# KiCad board GPDI_ULX3S_panel.kicad_pcb (continued)
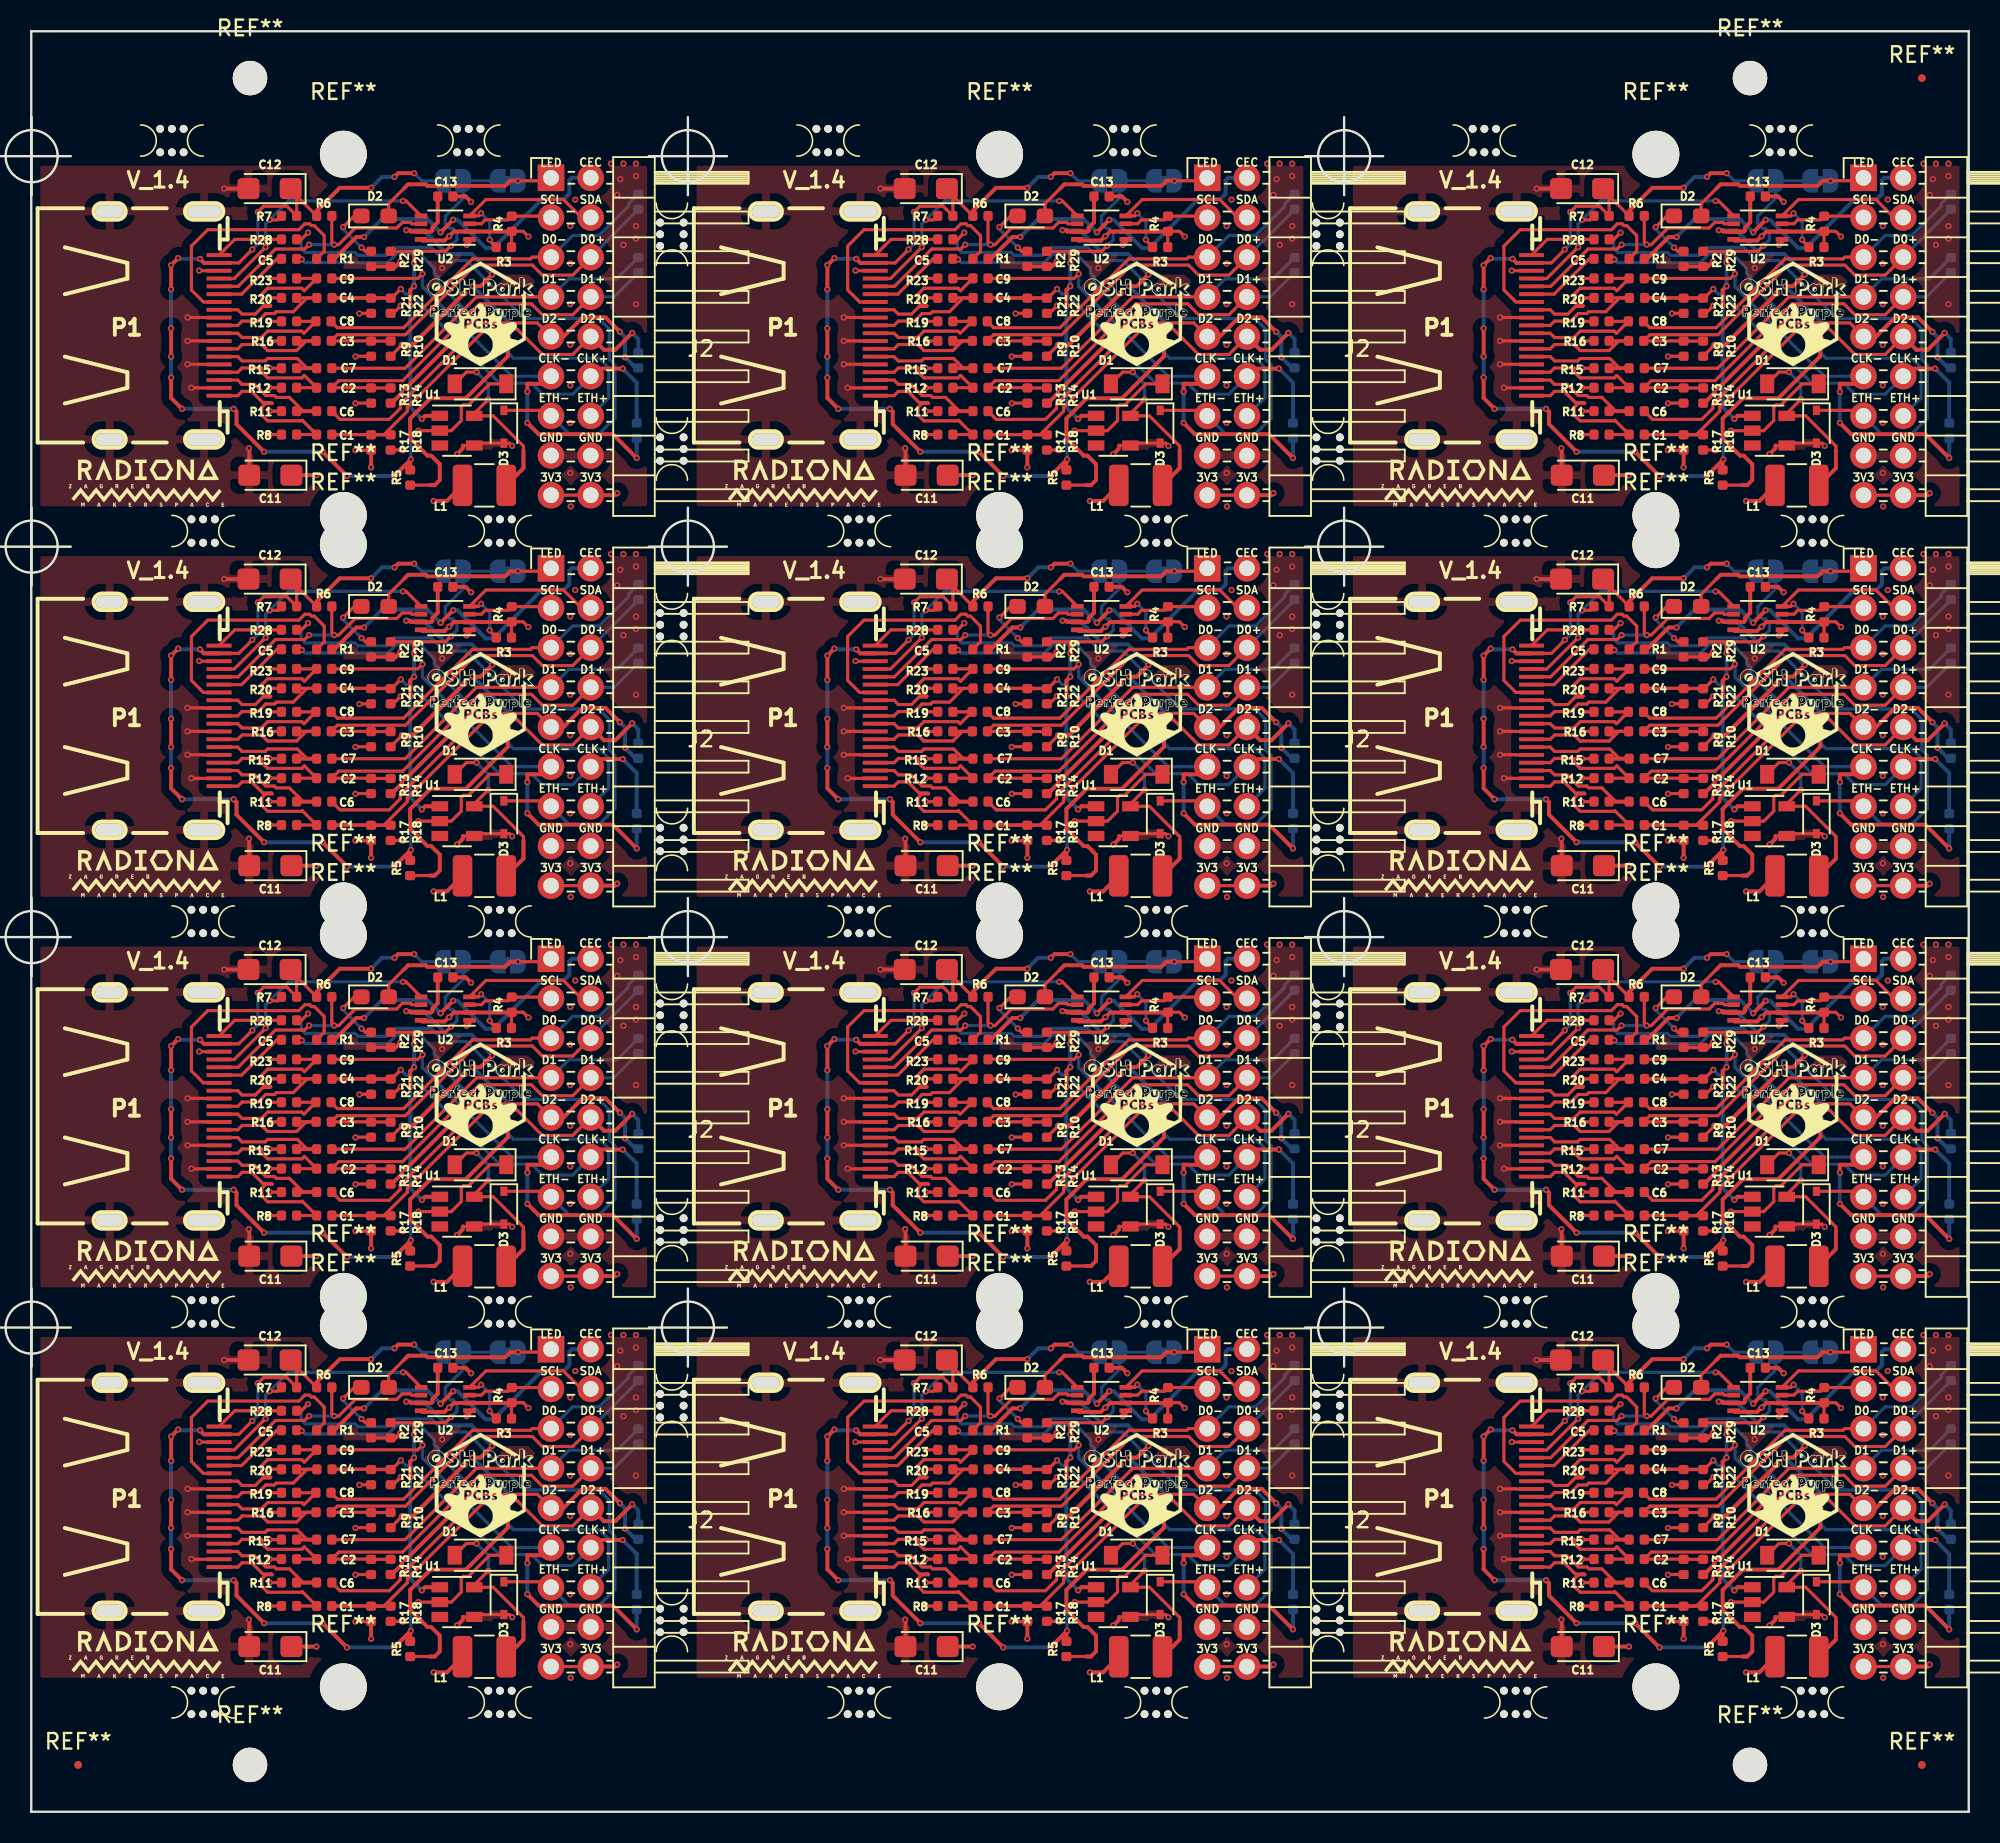
[diagram p0: board, top side]
## Nets (continued)
GPDI_D0+: C3.1 C3#2.1 C3#3.1 C3#4.1 C3#5.1 C3#6.1 C3#7.1 C3#8.1 C3#9.1 C3#10.1 C3#11.1 C3#12.1 J2.6 J2#2.6 J2#3.6 J2#4.6 J2#5.6 J2#6.6 J2#7.6 J2#8.6 J2#9.6 J2#10.6 J2#11.6 J2#12.6 R9.2 R9#2.2 R9#3.2 R9#4.2 R9#5.2 R9#6.2 R9#7.2 R9#8.2 R9#9.2 R9#10.2 R9#11.2 R9#12.2 R10.1 R10#2.1 R10#3.1 R10#4.1 R10#5.1 R10#6.1 R10#7.1 R10#8.1 R10#9.1 R10#10.1 R10#11.1 R10#12.1 R26.1 R26#2.1 R26#3.1 R26#4.1 R26#5.1 R26#6.1 R26#7.1 R26#8.1 R26#9.1 R26#10.1 R26#11.1 R26#12.1
GPDI_D0-: C8.1 C8#2.1 C8#3.1 C8#4.1 C8#5.1 C8#6.1 C8#7.1 C8#8.1 C8#9.1 C8#10.1 C8#11.1 C8#12.1 J2.5 J2#2.5 J2#3.5 J2#4.5 J2#5.5 J2#6.5 J2#7.5 J2#8.5 J2#9.5 J2#10.5 J2#11.5 J2#12.5 R26.2 R26#2.2 R26#3.2 R26#4.2 R26#5.2 R26#6.2 R26#7.2 R26#8.2 R26#9.2 R26#10.2 R26#11.2 R26#12.2
GPDI_D1+: C2.1 C2#2.1 C2#3.1 C2#4.1 C2#5.1 C2#6.1 C2#7.1 C2#8.1 C2#9.1 C2#10.1 C2#11.1 C2#12.1 J2.8 J2#2.8 J2#3.8 J2#4.8 J2#5.8 J2#6.8 J2#7.8 J2#8.8 J2#9.8 J2#10.8 J2#11.8 J2#12.8 R13.2 R13#2.2 R13#3.2 R13#4.2 R13#5.2 R13#6.2 R13#7.2 R13#8.2 R13#9.2 R13#10.2 R13#11.2 R13#12.2 R14.1 R14#2.1 R14#3.1 R14#4.1 R14#5.1 R14#6.1 R14#7.1 R14#8.1 R14#9.1 R14#10.1 R14#11.1 R14#12.1 R25.1 R25#2.1 R25#3.1 R25#4.1 R25#5.1 R25#6.1 R25#7.1 R25#8.1 R25#9.1 R25#10.1 R25#11.1 R25#12.1
GPDI_D1-: C7.1 C7#2.1 C7#3.1 C7#4.1 C7#5.1 C7#6.1 C7#7.1 C7#8.1 C7#9.1 C7#10.1 C7#11.1 C7#12.1 J2.7 J2#2.7 J2#3.7 J2#4.7 J2#5.7 J2#6.7 J2#7.7 J2#8.7 J2#9.7 J2#10.7 J2#11.7 J2#12.7 R25.2 R25#2.2 R25#3.2 R25#4.2 R25#5.2 R25#6.2 R25#7.2 R25#8.2 R25#9.2 R25#10.2 R25#11.2 R25#12.2
GPDI_D2+: C1.1 C1#2.1 C1#3.1 C1#4.1 C1#5.1 C1#6.1 C1#7.1 C1#8.1 C1#9.1 C1#10.1 C1#11.1 C1#12.1 J2.10 J2#2.10 J2#3.10 J2#4.10 J2#5.10 J2#6.10 J2#7.10 J2#8.10 J2#9.10 J2#10.10 J2#11.10 J2#12.10 R17.2 R17#2.2 R17#3.2 R17#4.2 R17#5.2 R17#6.2 R17#7.2 R17#8.2 R17#9.2 R17#10.2 R17#11.2 R17#12.2 R18.1 R18#2.1 R18#3.1 R18#4.1 R18#5.1 R18#6.1 R18#7.1 R18#8.1 R18#9.1 R18#10.1 R18#11.1 R18#12.1 R24.1 R24#2.1 R24#3.1 R24#4.1 R24#5.1 R24#6.1 R24#7.1 R24#8.1 R24#9.1 R24#10.1 R24#11.1 R24#12.1
GPDI_D2-: C6.1 C6#2.1 C6#3.1 C6#4.1 C6#5.1 C6#6.1 C6#7.1 C6#8.1 C6#9.1 C6#10.1 C6#11.1 C6#12.1 J2.9 J2#2.9 J2#3.9 J2#4.9 J2#5.9 J2#6.9 J2#7.9 J2#8.9 J2#9.9 J2#10.9 J2#11.9 J2#12.9 R24.2 R24#2.2 R24#3.2 R24#4.2 R24#5.2 R24#6.2 R24#7.2 R24#8.2 R24#9.2 R24#10.2 R24#11.2 R24#12.2
GPDI_ETH+: C5.1 C5#2.1 C5#3.1 C5#4.1 C5#5.1 C5#6.1 C5#7.1 C5#8.1 C5#9.1 C5#10.1 C5#11.1 C5#12.1 J2.14 J2#2.14 J2#3.14 J2#4.14 J2#5.14 J2#6.14 J2#7.14 J2#8.14 J2#9.14 J2#10.14 J2#11.14 J2#12.14
GPDI_ETH-: D3.1 D3#2.1 D3#3.1 D3#4.1 D3#5.1 D3#6.1 D3#7.1 D3#8.1 D3#9.1 D3#10.1 D3#11.1 D3#12.1 J2.13 J2#2.13 J2#3.13 J2#4.13 J2#5.13 J2#6.13 J2#7.13 J2#8.13 J2#9.13 J2#10.13 J2#11.13 J2#12.13 R28.2 R28#2.2 R28#3.2 R28#4.2 R28#5.2 R28#6.2 R28#7.2 R28#8.2 R28#9.2 R28#10.2 R28#11.2 R28#12.2
GPDI_SCL: P1.15 P1#2.15 P1#3.15 P1#4.15 P1#5.15 P1#6.15 P1#7.15 P1#8.15 P1#9.15 P1#10.15 P1#11.15 P1#12.15 R6.2 R6#2.2 R6#3.2 R6#4.2 R6#5.2 R6#6.2 R6#7.2 R6#8.2 R6#9.2 R6#10.2 R6#11.2 R6#12.2 U2.6 U2#2.6 U2#3.6 U2#4.6 U2#5.6 U2#6.6 U2#7.6 U2#8.6 U2#9.6 U2#10.6 U2#11.6 U2#12.6
GPDI_SDA: P1.16 P1#2.16 P1#3.16 P1#4.16 P1#5.16 P1#6.16 P1#7.16 P1#8.16 P1#9.16 P1#10.16 P1#11.16 P1#12.16 R7.2 R7#2.2 R7#3.2 R7#4.2 R7#5.2 R7#6.2 R7#7.2 R7#8.2 R7#9.2 R7#10.2 R7#11.2 R7#12.2 U2.5 U2#2.5 U2#3.5 U2#4.5 U2#5.5 U2#6.5 U2#7.5 U2#8.5 U2#9.5 U2#10.5 U2#11.5 U2#12.5
LED_HDMI: D2.2 D2#2.2 D2#3.2 D2#4.2 D2#5.2 D2#6.2 D2#7.2 D2#8.2 D2#9.2 D2#10.2 D2#11.2 D2#12.2 J2.1 J2#2.1 J2#3.1 J2#4.1 J2#5.1 J2#6.1 J2#7.1 J2#8.1 J2#9.1 J2#10.1 J2#11.1 J2#12.1 JP1.1 JP1#2.1 JP1#3.1 JP1#4.1 JP1#5.1 JP1#6.1 JP1#7.1 JP1#8.1 JP1#9.1 JP1#10.1 JP1#11.1 JP1#12.1
PMOD_SCL: J2.3 J2#2.3 J2#3.3 J2#4.3 J2#5.3 J2#6.3 J2#7.3 J2#8.3 J2#9.3 J2#10.3 J2#11.3 J2#12.3 R4.2 R4#2.2 R4#3.2 R4#4.2 R4#5.2 R4#6.2 R4#7.2 R4#8.2 R4#9.2 R4#10.2 R4#11.2 R4#12.2 U2.3 U2#2.3 U2#3.3 U2#4.3 U2#5.3 U2#6.3 U2#7.3 U2#8.3 U2#9.3 U2#10.3 U2#11.3 U2#12.3
PMOD_SDA: J2.4 J2#2.4 J2#3.4 J2#4.4 J2#5.4 J2#6.4 J2#7.4 J2#8.4 J2#9.4 J2#10.4 J2#11.4 J2#12.4 R3.2 R3#2.2 R3#3.2 R3#4.2 R3#5.2 R3#6.2 R3#7.2 R3#8.2 R3#9.2 R3#10.2 R3#11.2 R3#12.2 U2.4 U2#2.4 U2#3.4 U2#4.4 U2#5.4 U2#6.4 U2#7.4 U2#8.4 U2#9.4 U2#10.4 U2#11.4 U2#12.4
Net-(C13-Pad1): C13.1 C13#2.1 C13#3.1 C13#4.1 C13#5.1 C13#6.1 C13#7.1 C13#8.1 C13#9.1 C13#10.1 C13#11.1 C13#12.1 R5.2 R5#2.2 R5#3.2 R5#4.2 R5#5.2 R5#6.2 R5#7.2 R5#8.2 R5#9.2 R5#10.2 R5#11.2 R5#12.2 U2.7 U2#2.7 U2#3.7 U2#4.7 U2#5.7 U2#6.7 U2#7.7 U2#8.7 U2#9.7 U2#10.7 U2#11.7 U2#12.7
Net-(D1-Pad2): D1.2 D1#2.2 D1#3.2 D1#4.2 D1#5.2 D1#6.2 D1#7.2 D1#8.2 D1#9.2 D1#10.2 D1#11.2 D1#12.2 L1.2 L1#2.2 L1#3.2 L1#4.2 L1#5.2 L1#6.2 L1#7.2 L1#8.2 L1#9.2 L1#10.2 L1#11.2 L1#12.2 U1.5 U1#2.5 U1#3.5 U1#4.5 U1#5.5 U1#6.5 U1#7.5 U1#8.5 U1#9.5 U1#10.5 U1#11.5 U1#12.5
Net-(D2-Pad1): D2.1 D2#2.1 D2#3.1 D2#4.1 D2#5.1 D2#6.1 D2#7.1 D2#8.1 D2#9.1 D2#10.1 D2#11.1 D2#12.1 R2.1 R2#2.1 R2#3.1 R2#4.1 R2#5.1 R2#6.1 R2#7.1 R2#8.1 R2#9.1 R2#10.1 R2#11.1 R2#12.1
Net-(JP1-Pad2): JP1.2 JP1#2.2 JP1#3.2 JP1#4.2 JP1#5.2 JP1#6.2 JP1#7.2 JP1#8.2 JP1#9.2 JP1#10.2 JP1#11.2 JP1#12.2 JP2.2 JP2#2.2 JP2#3.2 JP2#4.2 JP2#5.2 JP2#6.2 JP2#7.2 JP2#8.2 JP2#9.2 JP2#10.2 JP2#11.2 JP2#12.2 R29.1 R29#2.1 R29#3.1 R29#4.1 R29#5.1 R29#6.1 R29#7.1 R29#8.1 R29#9.1 R29#10.1 R29#11.1 R29#12.1 U1.1 U1#2.1 U1#3.1 U1#4.1 U1#5.1 U1#6.1 U1#7.1 U1#8.1 U1#9.1 U1#10.1 U1#11.1 U1#12.1

Pads without a net: U1 3; U1#2 3; U1#3 3; U1#4 3; U1#5 3; U1#6 3; U1#7 3; U1#8 3; U1#9 3; U1#10 3; U1#11 3; U1#12 3

## Via types
v1: diameter 0.4, hole 0.2, Top to Bottom, 1344 vias

## Routing (per net, layer and track width the routed paths; a pad name or vN(x,y) marks a point on that pad's centre or on a via; arc(x,y) is an arc through that point)
+3V3: length 613.7
  Top w0.2: R15#2.1 v1(57.25,92.43) ; R15#3.1 v1(99.25,92.43) ; R15#4.1 v1(15.25,67.43) ; R15#5.1 v1(57.25,67.43) ; R15#6.1 v1(99.25,67.43) ; R15#7.1 v1(15.25,42.42) ; R15#8.1 v1(57.25,42.42) ; R15#9.1 v1(99.25,42.42) ; R15#10.1 v1(15.25,17.43) ; R15#11.1 v1(57.25,17.43) ; R15#12.1 v1(99.25,17.43) ; v1(57.25,98.18) R23#2.1 57.82,98.18 ; v1(99.25,98.18) R23#3.1 99.82,98.18 ; v1(15.25,73.18) R23#4.1 15.82,73.18 ; v1(57.25,73.18) R23#5.1 57.82,73.18 ; v1(99.25,73.18) R23#6.1 99.82,73.18 ; v1(15.25,48.17) R23#7.1 15.82,48.17 ; v1(57.25,48.17) R23#8.1 57.82,48.17 ; v1(99.25,48.17) R23#9.1 99.82,48.17 ; v1(15.25,23.18) R23#10.1 15.82,23.18 ; v1(57.25,23.18) R23#11.1 57.82,23.18 ; v1(99.25,23.18) R23#12.1 99.82,23.18 ; R13#2.1 62.77,90.19 v1(62.75,90.18) ; R13#3.1 104.77,90.19 v1(104.75,90.18) ; R13#4.1 20.77,65.19 v1(20.75,65.18) ; R13#5.1 62.77,65.19 v1(62.75,65.18) ; R13#6.1 104.77,65.19 v1(104.75,65.18) ; R13#7.1 20.77,40.19 v1(20.75,40.17) ; R13#8.1 62.77,40.19 v1(62.75,40.17) ; R13#9.1 104.77,40.19 v1(104.75,40.17) ; R13#10.1 20.77,15.19 v1(20.75,15.18) ; R13#11.1 62.77,15.19 v1(62.75,15.18) ; R13#12.1 104.77,15.19 v1(104.75,15.18) ; R21#2.1 63.02,95.94 v1(63,95.93) ; R21#3.1 105.02,95.94 v1(105,95.93) ; R21#4.1 21.02,70.94 v1(21,70.93) ; R21#5.1 63.02,70.94 v1(63,70.93) ; R21#6.1 105.02,70.94 v1(105,70.93) ; R21#7.1 21.02,45.94 v1(21,45.92) ; R21#8.1 63.02,45.94 v1(63,45.92) ; R21#9.1 105.02,45.94 v1(105,45.92) ; R21#10.1 21.02,20.94 v1(21,20.93) ; R21#11.1 63.02,20.94 v1(63,20.93) ; R21#12.1 105.02,20.94 v1(105,20.93) ; v1(62.75,93.18) 62.77,93.19 R9#2.1 ; v1(104.75,93.18) 104.77,93.19 R9#3.1 ; v1(20.75,68.18) 20.77,68.19 R9#4.1 ; v1(62.75,68.18) 62.77,68.19 R9#5.1 ; v1(104.75,68.18) 104.77,68.19 R9#6.1 ; v1(20.75,43.17) 20.77,43.19 R9#7.1 ; v1(62.75,43.17) 62.77,43.19 R9#8.1 ; v1(104.75,43.17) 104.77,43.19 R9#9.1 ; v1(20.75,18.18) 20.77,18.19 21.75,18.19 ; v1(62.75,18.18) 62.77,18.19 63.75,18.19 ; v1(104.75,18.18) 104.77,18.19 105.75,18.19 ; R16#2.1 v1(57.25,94.18) ; R16#3.1 v1(99.25,94.18) ; R16#4.1 v1(15.25,69.18) ; R16#5.1 v1(57.25,69.18) ; R16#6.1 v1(99.25,69.18) ; R16#7.1 v1(15.25,44.17) ; R16#8.1 v1(57.25,44.17) ; R16#9.1 v1(99.25,44.17) ; R16#10.1 v1(15.25,19.18) ; R16#11.1 v1(57.25,19.18) ; R16#12.1 v1(99.25,19.18) ; R12#2.1 v1(57.25,91.18) ; R12#3.1 v1(99.25,91.18) ; R12#4.1 v1(15.25,66.18) ; R12#5.1 v1(57.25,66.18) ; R12#6.1 v1(99.25,66.18) ; R12#7.1 v1(15.25,41.17) ; R12#8.1 v1(57.25,41.17) ; R12#9.1 v1(99.25,41.17) ; R12#10.1 v1(15.25,16.18) ; R12#11.1 v1(57.25,16.18) ; R12#12.1 v1(99.25,16.18) ; 70.06,101.19 U2#2.2 ; 112.06,101.19 U2#3.2 ; 28.06,76.19 U2#4.2 ; 70.06,76.19 U2#5.2 ; 112.06,76.19 U2#6.2 ; 28.06,51.19 U2#7.2 ; 70.06,51.19 U2#8.2 ; 112.06,51.19 U2#9.2 ; 28.06,26.19 U2#10.2 ; 70.06,26.19 U2#11.2 ; 112.06,26.19 U2#12.2 ; R8#2.1 v1(57.25,88.18) ; R8#3.1 v1(99.25,88.18) ; R8#4.1 v1(15.25,63.18) ; R8#5.1 v1(57.25,63.18) ; R8#6.1 v1(99.25,63.18) ; R8#7.1 v1(15.25,38.17) ; R8#8.1 v1(57.25,38.17) ; R8#9.1 v1(99.25,38.17) ; R8#10.1 v1(15.25,13.18) ; R8#11.1 v1(57.25,13.18) ; R8#12.1 v1(99.25,13.18) ; R4#2.1 73.48,101.19 v1(73.82,100.85) ; R4#3.1 115.48,101.19 v1(115.82,100.85) ; R4#4.1 31.48,76.19 v1(31.82,75.85) ; R4#5.1 73.48,76.19 v1(73.82,75.85) ; R4#6.1 115.48,76.19 v1(115.82,75.85) ; R4#7.1 31.48,51.19 v1(31.82,50.85) ; R4#8.1 73.48,51.19 v1(73.82,50.85) ; R4#9.1 115.48,51.19 v1(115.82,50.85) ; R4#10.1 31.48,26.19 v1(31.82,25.85) ; R4#11.1 73.48,26.19 v1(73.82,25.85) ; R4#12.1 115.48,26.19 v1(115.82,25.85) ; R20#2.1 v1(57.25,96.93) ; R20#3.1 v1(99.25,96.93) ; R20#4.1 v1(15.25,71.93) ; R20#5.1 v1(57.25,71.93) ; R20#6.1 v1(99.25,71.93) ; R20#7.1 v1(15.25,46.92) ; R20#8.1 v1(57.25,46.92) ; R20#9.1 v1(99.25,46.92) ; R20#10.1 v1(15.25,21.93) ; R20#11.1 v1(57.25,21.93) ; R20#12.1 v1(99.25,21.93) ; v1(62.75,87.18) 63.73,87.18 R17#2.1 ; v1(104.75,87.18) 105.73,87.18 R17#3.1 ; v1(20.75,62.18) 21.73,62.18 R17#4.1 ; v1(62.75,62.18) 63.73,62.18 R17#5.1 ; v1(104.75,62.18) 105.73,62.18 R17#6.1 ; v1(20.75,37.17) 21.73,37.17 R17#7.1 ; v1(62.75,37.17) 63.73,37.17 R17#8.1 ; v1(104.75,37.17) 105.73,37.17 R17#9.1 ; v1(20.75,12.18) 21.73,12.18 R17#10.1 ; v1(62.75,12.18) 63.73,12.18 R17#11.1 ; v1(104.75,12.18) 105.73,12.18 R17#12.1 ; R11#2.1 v1(57.25,89.68) ; R11#3.1 v1(99.25,89.68) ; R11#4.1 v1(15.25,64.68) ; R11#5.1 v1(57.25,64.68) ; R11#6.1 v1(99.25,64.68) ; R11#7.1 v1(15.25,39.67) ; R11#8.1 v1(57.25,39.67) ; R11#9.1 v1(99.25,39.67) ; R11#10.1 v1(15.25,14.68) ; R11#11.1 v1(57.25,14.68) ; R11#12.1 v1(99.25,14.68) ; R3#2.1 72.73,101.18 ; R3#3.1 114.73,101.18 ; R3#4.1 30.73,76.18 ; R3#5.1 72.73,76.18 ; R3#6.1 114.73,76.18 ; R3#7.1 30.73,51.17 ; R3#8.1 72.73,51.17 ; R3#9.1 114.73,51.17 ; R3#10.1 30.73,26.18 ; R3#11.1 72.73,26.18 ; R3#12.1 114.73,26.18 ; R19#2.1 v1(57.25,95.43) ; R19#3.1 v1(99.25,95.43) ; R19#4.1 v1(15.25,70.43) ; R19#5.1 v1(57.25,70.43) ; R19#6.1 v1(99.25,70.43) ; R19#7.1 v1(15.25,45.42) ; R19#8.1 v1(57.25,45.42) ; R19#9.1 v1(99.25,45.42) ; R19#10.1 v1(15.25,20.43) ; R19#11.1 v1(57.25,20.43) ; R19#12.1 v1(99.25,20.43) ; J2#2.17 J2#2.18 ; J2#3.17 J2#3.18 ; J2#4.17 J2#4.18 ; J2#5.17 J2#5.18 ; J2#6.17 J2#6.18 ; J2#7.17 J2#7.18 ; J2#8.17 J2#8.18 ; J2#9.17 J2#9.18 ; J2#10.17 J2#10.18 ; J2#11.17 J2#11.18 ; J2#12.17 J2#12.18 ; R8.1 v1(15.25,88.18) ; R16.1 v1(15.25,94.18) ; R17.1 21.73,87.18 v1(20.75,87.18) ; R3.1 30.73,101.18 ; v1(20.75,93.18) 20.77,93.19 R9.1 ; R20.1 v1(15.25,96.93) ; R19.1 v1(15.25,95.43) ; R21.1 21.02,95.94 v1(21,95.93) ; v1(15.25,98.18) R23.1 15.82,98.18 ; R11.1 v1(15.25,89.68) ; R4.1 31.48,101.19 v1(31.82,100.85) ; R15.1 v1(15.25,92.43) ; J2.17 J2.18 ; R12.1 v1(15.25,91.18) ; v1(20.75,90.18) 20.77,90.19 R13.1 ; 28.06,101.19 U2.2
  Top w0.25: R4#2.1 72.73,101.18 U2#2.2 69.05,101.18 v1(68.75,100.88) 68.73,100.88 68.45,100.6 67.03,100.6 U2#2.8 ; R4#3.1 114.73,101.18 U2#3.2 111.05,101.18 v1(110.75,100.88) 110.73,100.88 110.45,100.6 109.03,100.6 U2#3.8 ; R4#4.1 30.73,76.18 U2#4.2 27.05,76.18 v1(26.75,75.88) 26.73,75.88 26.45,75.6 25.03,75.6 U2#4.8 ; R4#5.1 72.73,76.18 U2#5.2 69.05,76.18 v1(68.75,75.88) 68.73,75.88 68.45,75.6 67.03,75.6 U2#5.8 ; R4#6.1 114.73,76.18 U2#6.2 111.05,76.18 v1(110.75,75.88) 110.73,75.88 110.45,75.6 109.03,75.6 U2#6.8 ; R4#7.1 30.73,51.17 U2#7.2 27.05,51.17 v1(26.75,50.88) 26.73,50.88 26.45,50.6 25.03,50.6 U2#7.8 ; R4#8.1 72.73,51.17 U2#8.2 69.05,51.17 v1(68.75,50.88) 68.73,50.88 68.45,50.6 67.03,50.6 U2#8.8 ; R4#9.1 114.73,51.17 U2#9.2 111.05,51.17 v1(110.75,50.88) 110.73,50.88 110.45,50.6 109.03,50.6 U2#9.8 ; R4#10.1 30.73,26.18 U2#10.2 27.05,26.18 v1(26.75,25.88) 26.73,25.88 26.45,25.6 25.03,25.6 U2#10.8 ; R4#11.1 72.73,26.18 U2#11.2 69.05,26.18 v1(68.75,25.88) 68.73,25.88 68.45,25.6 67.03,25.6 U2#11.8 ; R4#12.1 114.73,26.18 U2#12.2 111.05,26.18 v1(110.75,25.88) 110.73,25.88 110.45,25.6 109.03,25.6 U2#12.8 ; v1(67.75,83.93) 68.6,83.93 L1#2.1 ; v1(109.75,83.93) 110.6,83.93 L1#3.1 ; v1(25.75,58.93) 26.6,58.93 L1#4.1 ; v1(67.75,58.93) 68.6,58.93 L1#5.1 ; v1(109.75,58.93) 110.6,58.93 L1#6.1 ; v1(25.75,33.92) 26.6,33.92 L1#7.1 ; v1(67.75,33.92) 68.6,33.92 L1#8.1 ; v1(109.75,33.92) 110.6,33.92 L1#9.1 ; v1(25.75,8.93) 26.6,8.93 L1#10.1 ; v1(67.75,8.93) 68.6,8.93 L1#11.1 ; v1(109.75,8.93) 110.6,8.93 L1#12.1 ; J2#2.18 79.37,84.29 v1(79.5,84.43) ; J2#3.18 121.37,84.29 v1(121.5,84.43) ; J2#4.18 37.37,59.3 v1(37.5,59.43) ; J2#5.18 79.37,59.3 v1(79.5,59.43) ; J2#6.18 121.37,59.3 v1(121.5,59.43) ; J2#7.18 37.37,34.3 v1(37.5,34.42) ; J2#8.18 79.37,34.3 v1(79.5,34.42) ; J2#9.18 121.37,34.3 v1(121.5,34.42) ; J2#10.18 37.37,9.3 v1(37.5,9.43) ; J2#11.18 79.37,9.3 v1(79.5,9.43) ; J2#12.18 121.37,9.3 v1(121.5,9.43) ; C11#2.1 v1(60.25,85.57) ; C11#3.1 v1(102.25,85.57) ; C11#4.1 v1(18.25,60.58) ; C11#5.1 v1(60.25,60.58) ; C11#6.1 v1(102.25,60.58) ; C11#7.1 v1(18.25,35.58) ; C11#8.1 v1(60.25,35.58) ; C11#9.1 v1(102.25,35.58) ; C11#10.1 v1(18.25,10.58) ; C11#11.1 v1(60.25,10.58) ; C11#12.1 v1(102.25,10.58) ; R17#2.1 v1(63.75,86.07) ; R17#3.1 v1(105.75,86.07) ; R17#4.1 v1(21.75,61.08) ; R17#5.1 v1(63.75,61.08) ; R17#6.1 v1(105.75,61.08) ; R17#7.1 v1(21.75,36.08) ; R17#8.1 v1(63.75,36.08) ; R17#9.1 v1(105.75,36.08) ; R17#10.1 v1(21.75,11.08) ; R17#11.1 v1(63.75,11.08) ; R17#12.1 v1(105.75,11.08) ; v1(25.75,83.93) 26.6,83.93 L1.1 ; U2.8 25.03,100.6 26.45,100.6 26.73,100.88 v1(26.75,100.88) 27.05,101.18 U2.2 30.73,101.18 R4.1 ; R17.1 v1(21.75,86.07) ; J2.18 37.37,84.29 v1(37.5,84.43) ; C11.1 v1(18.25,85.57)
  VCC.Cu w0.2: v1(67.75,83.93) 65.25,83.93 63.75,85.43 ; v1(109.75,83.93) 107.25,83.93 105.75,85.43 ; v1(25.75,58.93) 23.25,58.93 21.75,60.43 ; v1(67.75,58.93) 65.25,58.93 63.75,60.43 ; v1(109.75,58.93) 107.25,58.93 105.75,60.43 ; v1(25.75,33.92) 23.25,33.92 21.75,35.42 ; v1(67.75,33.92) 65.25,33.92 63.75,35.42 ; v1(109.75,33.92) 107.25,33.92 105.75,35.42 ; v1(25.75,8.93) 23.25,8.93 21.75,10.43 ; v1(67.75,8.93) 65.25,8.93 63.75,10.43 ; v1(109.75,8.93) 107.25,8.93 105.75,10.43 ; v1(57.25,88.18) v1(57.25,89.68) v1(57.25,91.18) v1(57.25,92.43) v1(57.25,94.18) v1(57.25,95.43) v1(57.25,96.93) v1(57.25,98.18) ; v1(99.25,88.18) v1(99.25,89.68) v1(99.25,91.18) v1(99.25,92.43) v1(99.25,94.18) v1(99.25,95.43) v1(99.25,96.93) v1(99.25,98.18) ; v1(15.25,63.18) v1(15.25,64.68) v1(15.25,66.18) v1(15.25,67.43) v1(15.25,69.18) v1(15.25,70.43) v1(15.25,71.93) v1(15.25,73.18) ; v1(57.25,63.18) v1(57.25,64.68) v1(57.25,66.18) v1(57.25,67.43) v1(57.25,69.18) v1(57.25,70.43) v1(57.25,71.93) v1(57.25,73.18) ; v1(99.25,63.18) v1(99.25,64.68) v1(99.25,66.18) v1(99.25,67.43) v1(99.25,69.18) v1(99.25,70.43) v1(99.25,71.93) v1(99.25,73.18) ; v1(15.25,38.17) v1(15.25,39.67) v1(15.25,41.17) v1(15.25,42.42) v1(15.25,44.17) v1(15.25,45.42) v1(15.25,46.92) v1(15.25,48.17) ; v1(57.25,38.17) v1(57.25,39.67) v1(57.25,41.17) v1(57.25,42.42) v1(57.25,44.17) v1(57.25,45.42) v1(57.25,46.92) v1(57.25,48.17) ; v1(99.25,38.17) v1(99.25,39.67) v1(99.25,41.17) v1(99.25,42.42) v1(99.25,44.17) v1(99.25,45.42) v1(99.25,46.92) v1(99.25,48.17) ; v1(15.25,13.18) v1(15.25,14.68) v1(15.25,16.18) v1(15.25,17.43) v1(15.25,19.18) v1(15.25,20.43) v1(15.25,21.93) v1(15.25,23.18) ; v1(57.25,13.18) v1(57.25,14.68) v1(57.25,16.18) v1(57.25,17.43) v1(57.25,19.18) v1(57.25,20.43) v1(57.25,21.93) v1(57.25,23.18) ; v1(99.25,13.18) v1(99.25,14.68) v1(99.25,16.18) v1(99.25,17.43) v1(99.25,19.18) v1(99.25,20.43) v1(99.25,21.93) v1(99.25,23.18) ; v1(62.75,87.18) v1(62.75,90.18) v1(62.75,93.18) 62.75,95.68 v1(63,95.93) ; v1(104.75,87.18) v1(104.75,90.18) v1(104.75,93.18) 104.75,95.68 v1(105,95.93) ; v1(20.75,62.18) v1(20.75,65.18) v1(20.75,68.18) 20.75,70.68 v1(21,70.93) ; v1(62.75,62.18) v1(62.75,65.18) v1(62.75,68.18) 62.75,70.68 v1(63,70.93) ; v1(104.75,62.18) v1(104.75,65.18) v1(104.75,68.18) 104.75,70.68 v1(105,70.93) ; v1(20.75,37.17) v1(20.75,40.17) v1(20.75,43.17) 20.75,45.67 v1(21,45.92) ; v1(62.75,37.17) v1(62.75,40.17) v1(62.75,43.17) 62.75,45.67 v1(63,45.92) ; v1(104.75,37.17) v1(104.75,40.17) v1(104.75,43.17) 104.75,45.67 v1(105,45.92) ; v1(20.75,12.18) v1(20.75,15.18) v1(20.75,18.18) 20.75,20.68 v1(21,20.93) ; v1(62.75,12.18) v1(62.75,15.18) v1(62.75,18.18) 62.75,20.68 v1(63,20.93) ; v1(104.75,12.18) v1(104.75,15.18) v1(104.75,18.18) 104.75,20.68 v1(105,20.93) ; v1(21,95.93) 20.75,95.68 v1(20.75,93.18) v1(20.75,90.18) v1(20.75,87.18) ; v1(25.75,83.93) 23.25,83.93 21.75,85.43 ; v1(15.25,98.18) v1(15.25,96.93) v1(15.25,95.43) v1(15.25,94.18) v1(15.25,92.43) v1(15.25,91.18) v1(15.25,89.68) v1(15.25,88.18)
+5V: length 746.4
  Top w0.2: P1#2.18 55.28,99.17 v1(56.15,100.03) ; P1#3.18 97.28,99.17 v1(98.15,100.03) ; P1#4.18 13.28,74.17 v1(14.15,75.03) ; P1#5.18 55.28,74.17 v1(56.15,75.03) ; P1#6.18 97.28,74.17 v1(98.15,75.03) ; P1#7.18 13.28,49.17 v1(14.15,50.03) ; P1#8.18 55.28,49.17 v1(56.15,50.03) ; P1#9.18 97.28,49.17 v1(98.15,50.03) ; 12.02,24.17 13.28,24.17 v1(14.15,25.03) ; 54.02,24.17 55.28,24.17 v1(56.15,25.03) ; 96.02,24.17 97.28,24.17 v1(98.15,25.03) ; D1#2.1 71.34,91.43 69.99,90.07 69.65,90.07 69.52,89.94 69.52,89.06 68.88,88.43 U1#2.2 v1(66.78,88.43) ; D1#3.1 113.34,91.43 111.99,90.07 111.65,90.07 111.52,89.94 111.52,89.06 110.88,88.43 U1#3.2 v1(108.78,88.43) ; D1#4.1 29.34,66.43 27.99,65.07 27.65,65.07 27.52,64.94 27.52,64.06 26.88,63.43 U1#4.2 v1(24.78,63.43) ; D1#5.1 71.34,66.43 69.99,65.07 69.65,65.07 69.52,64.94 69.52,64.06 68.88,63.43 U1#5.2 v1(66.78,63.43) ; D1#6.1 113.34,66.43 111.99,65.07 111.65,65.07 111.52,64.94 111.52,64.06 110.88,63.43 U1#6.2 v1(108.78,63.43) ; D1#7.1 29.34,41.42 27.99,40.07 27.65,40.07 27.52,39.94 27.52,39.06 26.88,38.42 U1#7.2 v1(24.78,38.42) ; D1#8.1 71.34,41.42 69.99,40.07 69.65,40.07 69.52,39.94 69.52,39.06 68.88,38.42 U1#8.2 v1(66.78,38.42) ; D1#9.1 113.34,41.42 111.99,40.07 111.65,40.07 111.52,39.94 111.52,39.06 110.88,38.42 U1#9.2 v1(108.78,38.42) ; D1#10.1 29.34,16.43 27.99,15.07 27.65,15.07 27.52,14.94 27.52,14.06 26.88,13.43 U1#10.2 v1(24.78,13.43) ; D1#11.1 71.34,16.43 69.99,15.07 69.65,15.07 69.52,14.94 69.52,14.06 68.88,13.43 U1#11.2 v1(66.78,13.43) ; D1#12.1 113.34,16.43 111.99,15.07 111.65,15.07 111.52,14.94 111.52,14.06 110.88,13.43 U1#12.2 v1(108.78,13.43) ; 60.27,102.18 58.6,103.84 C12#2.1 58.98,103.54 R7#2.1 58.36,102.8 56.87,102.8 v1(56.5,102.43) ; 102.27,102.18 100.6,103.84 C12#3.1 100.98,103.54 R7#3.1 100.36,102.8 98.87,102.8 v1(98.5,102.43) ; 18.27,77.18 16.6,78.84 C12#4.1 16.98,78.54 R7#4.1 16.36,77.8 14.87,77.8 v1(14.5,77.43) ; 60.27,77.18 58.6,78.84 C12#5.1 58.98,78.54 R7#5.1 58.36,77.8 56.87,77.8 v1(56.5,77.43) ; 102.27,77.18 100.6,78.84 C12#6.1 100.98,78.54 R7#6.1 100.36,77.8 98.87,77.8 v1(98.5,77.43) ; 18.27,52.18 16.6,53.84 C12#7.1 16.98,53.54 R7#7.1 16.36,52.8 14.87,52.8 v1(14.5,52.43) ; 60.27,52.18 58.6,53.84 C12#8.1 58.98,53.54 R7#8.1 58.36,52.8 56.87,52.8 v1(56.5,52.43) ; 102.27,52.18 100.6,53.84 C12#9.1 100.98,53.54 R7#9.1 100.36,52.8 98.87,52.8 v1(98.5,52.43) ; 18.27,27.18 16.6,28.84 C12#10.1 16.98,28.54 R7#10.1 16.36,27.8 14.87,27.8 v1(14.5,27.43) ; 60.27,27.18 58.6,28.84 C12#11.1 58.98,28.54 R7#11.1 58.36,27.8 56.87,27.8 v1(56.5,27.43) ; 102.27,27.18 100.6,28.84 C12#12.1 100.98,28.54 R7#12.1 100.36,27.8 98.87,27.8 v1(98.5,27.43) ; v1(14.5,102.43) 14.87,102.8 16.36,102.8 R7.1 16.98,103.54 C12.1 16.6,103.84 18.27,102.18 ; v1(24.78,88.43) U1.2 26.88,88.43 27.52,89.06 27.52,89.94 27.65,90.07 27.99,90.07 29.34,91.43 D1.1 ; P1.18 13.28,99.17 v1(14.15,100.03)
  Top w0.25: v1(12.95,89.82) 13.13,89.64 13.13,88.84 v1(14.9,87.07) ; v1(18.65,87.07) v1(20.21,85.52) ; v1(23.23,85.52) v1(24.29,86.58) 24.25,86.54 R5.1 ; P1#2.18 53.06,99.17 v1(52.8,99.43) ; P1#3.18 95.06,99.17 v1(94.8,99.43) ; P1#4.18 11.06,74.17 v1(10.8,74.43) ; P1#5.18 53.06,74.17 v1(52.8,74.43) ; P1#6.18 95.06,74.17 v1(94.8,74.43) ; P1#7.18 11.06,49.17 v1(10.8,49.42) ; P1#8.18 53.06,49.17 v1(52.8,49.42) ; P1#9.18 95.06,49.17 v1(94.8,49.42) ; 12.02,24.17 11.06,24.17 v1(10.8,24.43) ; 54.02,24.17 53.06,24.17 v1(52.8,24.43) ; 96.02,24.17 95.06,24.17 v1(94.8,24.43) ; 60.27,102.18 60.27,102.5 61.74,103.97 v1(63.75,103.97) ; 102.27,102.18 102.27,102.5 103.74,103.97 v1(105.75,103.97) ; 18.27,77.18 18.27,77.5 19.74,78.97 v1(21.75,78.97) ; 60.27,77.18 60.27,77.5 61.74,78.97 v1(63.75,78.97) ; 102.27,77.18 102.27,77.5 103.74,78.97 v1(105.75,78.97) ; 18.27,52.18 18.27,52.5 19.74,53.98 v1(21.75,53.98) ; 60.27,52.18 60.27,52.5 61.74,53.98 v1(63.75,53.98) ; 102.27,52.18 102.27,52.5 103.74,53.98 v1(105.75,53.98) ; 18.27,27.18 18.27,27.5 19.74,28.98 v1(21.75,28.98) ; 60.27,27.18 60.27,27.5 61.74,28.98 v1(63.75,28.98) ; 102.27,27.18 102.27,27.5 103.74,28.98 v1(105.75,28.98) ; v1(66.51,104.91) 65.49,104.91 v1(65.25,104.68) ; v1(108.51,104.91) 107.49,104.91 v1(107.25,104.68) ; v1(24.51,79.91) 23.49,79.91 v1(23.25,79.68) ; v1(66.51,79.91) 65.49,79.91 v1(65.25,79.68) ; v1(108.51,79.91) 107.49,79.91 v1(107.25,79.68) ; v1(24.51,54.91) 23.49,54.91 v1(23.25,54.68) ; v1(66.51,54.91) 65.49,54.91 v1(65.25,54.68) ; v1(108.51,54.91) 107.49,54.91 v1(107.25,54.68) ; v1(24.51,29.91) 23.49,29.91 v1(23.25,29.68) ; v1(66.51,29.91) 65.49,29.91 v1(65.25,29.68) ; v1(108.51,29.91) 107.49,29.91 v1(107.25,29.68) ; v1(56.9,87.07) 55.13,88.84 55.13,89.64 v1(54.95,89.82) ; v1(98.9,87.07) 97.13,88.84 97.13,89.64 v1(96.95,89.82) ; v1(14.9,62.08) 13.13,63.84 13.13,64.64 v1(12.95,64.83) ; v1(56.9,62.08) 55.13,63.84 55.13,64.64 v1(54.95,64.83) ; v1(98.9,62.08) 97.13,63.84 97.13,64.64 v1(96.95,64.83) ; v1(14.9,37.08) 13.13,38.84 13.13,39.64 v1(12.95,39.83) ; v1(56.9,37.08) 55.13,38.84 55.13,39.64 v1(54.95,39.83) ; v1(98.9,37.08) 97.13,38.84 97.13,39.64 v1(96.95,39.83) ; v1(14.9,12.08) 13.13,13.84 13.13,14.64 v1(12.95,14.83) ; v1(56.9,12.08) 55.13,13.84 55.13,14.64 v1(54.95,14.83) ; v1(98.9,12.08) 97.13,13.84 97.13,14.64 v1(96.95,14.83) ; v1(50.95,91.82) 50.95,90.53 v1(51.65,89.82) ; v1(92.95,91.82) 92.95,90.53 v1(93.65,89.82) ; v1(8.95,66.83) 8.95,65.53 v1(9.65,64.83) ; v1(50.95,66.83) 50.95,65.53 v1(51.65,64.83) ; v1(92.95,66.83) 92.95,65.53 v1(93.65,64.83) ; v1(8.95,41.83) 8.95,40.53 v1(9.65,39.83) ; v1(50.95,41.83) 50.95,40.53 v1(51.65,39.83) ; v1(92.95,41.83) 92.95,40.53 v1(93.65,39.83) ; v1(8.95,16.83) 8.95,15.53 v1(9.65,14.83) ; v1(50.95,16.83) 50.95,15.53 v1(51.65,14.83) ; v1(92.95,16.83) 92.95,15.53 v1(93.65,14.83) ; v1(50.95,97.47) v1(50.95,99.03) v1(51.4,99.47) ; v1(92.95,97.47) v1(92.95,99.03) v1(93.4,99.47) ; v1(8.95,72.47) v1(8.95,74.03) v1(9.4,74.47) ; v1(50.95,72.47) v1(50.95,74.03) v1(51.4,74.47) ; v1(92.95,72.47) v1(92.95,74.03) v1(93.4,74.47) ; v1(8.95,47.48) v1(8.95,49.03) v1(9.4,49.48) ; v1(50.95,47.48) v1(50.95,49.03) v1(51.4,49.48) ; v1(92.95,47.48) v1(92.95,49.03) v1(93.4,49.48) ; v1(8.95,22.48) v1(8.95,24.03) v1(9.4,24.48) ; v1(50.95,22.48) v1(50.95,24.03) v1(51.4,24.48) ; v1(92.95,22.48) v1(92.95,24.03) v1(93.4,24.48) ; v1(60.65,87.07) v1(62.21,85.52) ; v1(102.65,87.07) v1(104.21,85.52) ; v1(18.65,62.08) v1(20.21,60.52) ; v1(60.65,62.08) v1(62.21,60.52) ; v1(102.65,62.08) v1(104.21,60.52) ; v1(18.65,37.08) v1(20.21,35.52) ; v1(60.65,37.08) v1(62.21,35.52) ; v1(102.65,37.08) v1(104.21,35.52) ; v1(18.65,12.08) v1(20.21,10.52) ; v1(60.65,12.08) v1(62.21,10.52) ; v1(102.65,12.08) v1(104.21,10.52) ; v1(50.95,94.97) v1(50.95,93.18) ; v1(92.95,94.97) v1(92.95,93.18) ; v1(8.95,69.97) v1(8.95,68.18) ; v1(50.95,69.97) v1(50.95,68.18) ; v1(92.95,69.97) v1(92.95,68.18) ; v1(8.95,44.98) v1(8.95,43.17) ; v1(50.95,44.98) v1(50.95,43.17) ; v1(92.95,44.98) v1(92.95,43.17) ; v1(8.95,19.98) v1(8.95,18.18) ; v1(50.95,19.98) v1(50.95,18.18) ; v1(92.95,19.98) v1(92.95,18.18) ; R5#2.1 66.25,86.54 v1(66.29,86.58) v1(65.23,85.52) ; R5#3.1 108.25,86.54 v1(108.29,86.58) v1(107.23,85.52) ; R5#4.1 24.25,61.54 v1(24.29,61.58) v1(23.23,60.52) ; R5#5.1 66.25,61.54 v1(66.29,61.58) v1(65.23,60.52) ; R5#6.1 108.25,61.54 v1(108.29,61.58) v1(107.23,60.52) ; R5#7.1 24.25,36.54 v1(24.29,36.58) v1(23.23,35.52) ; R5#8.1 66.25,36.54 v1(66.29,36.58) v1(65.23,35.52) ; R5#9.1 108.25,36.54 v1(108.29,36.58) v1(107.23,35.52) ; 24.25,10.91 24.25,11.54 v1(24.29,11.58) v1(23.23,10.52) ; 66.25,10.91 66.25,11.54 v1(66.29,11.58) v1(65.23,10.52) ; 108.25,10.91 108.25,11.54 v1(108.29,11.58) v1(107.23,10.52) ; v1(23.25,104.68) 23.49,104.91 v1(24.51,104.91) ; v1(21.75,103.97) 19.74,103.97 18.27,102.5 18.27,102.18 ; v1(8.95,94.97) v1(8.95,93.18) ; v1(8.95,97.47) v1(8.95,99.03) v1(9.4,99.47) ; P1.18 11.06,99.17 v1(10.8,99.43) ; v1(9.65,89.82) 8.95,90.53 v1(8.95,91.82)
  Bottom w0.2: v1(66.78,88.43) 66.29,87.94 v1(66.29,86.58) ; v1(108.78,88.43) 108.29,87.94 v1(108.29,86.58) ; v1(24.78,63.43) 24.29,62.94 v1(24.29,61.58) ; v1(66.78,63.43) 66.29,62.94 v1(66.29,61.58) ; v1(108.78,63.43) 108.29,62.94 v1(108.29,61.58) ; v1(24.78,38.42) 24.29,37.94 v1(24.29,36.58) ; v1(66.78,38.42) 66.29,37.94 v1(66.29,36.58) ; v1(108.78,38.42) 108.29,37.94 v1(108.29,36.58) ; v1(24.78,13.43) 24.29,12.94 v1(24.29,11.58) ; v1(66.78,13.43) 66.29,12.94 v1(66.29,11.58) ; v1(108.78,13.43) 108.29,12.94 v1(108.29,11.58) ; v1(56.15,100.03) 56.5,100.38 v1(56.5,102.43) ; v1(98.15,100.03) 98.5,100.38 v1(98.5,102.43) ; v1(14.15,75.03) 14.5,75.38 v1(14.5,77.43) ; v1(56.15,75.03) 56.5,75.38 v1(56.5,77.43) ; v1(98.15,75.03) 98.5,75.38 v1(98.5,77.43) ; v1(14.15,50.03) 14.5,50.38 v1(14.5,52.43) ; v1(56.15,50.03) 56.5,50.38 v1(56.5,52.43) ; v1(98.15,50.03) 98.5,50.38 v1(98.5,52.43) ; v1(14.15,25.03) 14.5,25.38 v1(14.5,27.43) ; v1(56.15,25.03) 56.5,25.38 v1(56.5,27.43) ; v1(98.15,25.03) 98.5,25.38 v1(98.5,27.43) ; v1(66.51,104.91) 66.99,104.43 JP2#2.1 ; v1(108.51,104.91) 108.99,104.43 JP2#3.1 ; v1(24.51,79.91) 24.99,79.43 JP2#4.1 ; v1(66.51,79.91) 66.99,79.43 JP2#5.1 ; v1(108.51,79.91) 108.99,79.43 JP2#6.1 ; v1(24.51,54.91) 24.99,54.43 JP2#7.1 ; v1(66.51,54.91) 66.99,54.43 JP2#8.1 ; v1(108.51,54.91) 108.99,54.43 JP2#9.1 ; v1(24.51,29.91) 24.99,29.43 JP2#10.1 ; v1(66.51,29.91) 66.99,29.43 JP2#11.1 ; v1(108.51,29.91) 108.99,29.43 JP2#12.1 ; v1(24.29,86.58) 24.29,87.94 v1(24.78,88.43) ; v1(24.51,104.91) 24.99,104.43 JP2.1 ; v1(14.5,102.43) 14.5,100.38 v1(14.15,100.03)
  Bottom w0.25: v1(52.8,99.43) 51.45,99.43 v1(51.4,99.47) ; v1(94.8,99.43) 93.45,99.43 v1(93.4,99.47) ; v1(10.8,74.43) 9.45,74.43 v1(9.4,74.47) ; v1(52.8,74.43) 51.45,74.43 v1(51.4,74.47) ; v1(94.8,74.43) 93.45,74.43 v1(93.4,74.47) ; v1(10.8,49.42) 9.45,49.42 v1(9.4,49.48) ; v1(52.8,49.42) 51.45,49.42 v1(51.4,49.48) ; v1(94.8,49.42) 93.45,49.42 v1(93.4,49.48) ; v1(10.8,24.43) 9.45,24.43 v1(9.4,24.48) ; v1(52.8,24.43) 51.45,24.43 v1(51.4,24.48) ; v1(94.8,24.43) 93.45,24.43 v1(93.4,24.48) ; v1(50.95,93.18) v1(50.95,91.82) ; v1(92.95,93.18) v1(92.95,91.82) ; v1(8.95,68.18) v1(8.95,66.83) ; v1(50.95,68.18) v1(50.95,66.83) ; v1(92.95,68.18) v1(92.95,66.83) ; v1(8.95,43.17) v1(8.95,41.83) ; v1(50.95,43.17) v1(50.95,41.83) ; v1(92.95,43.17) v1(92.95,41.83) ; v1(8.95,18.18) v1(8.95,16.83) ; v1(50.95,18.18) v1(50.95,16.83) ; v1(92.95,18.18) v1(92.95,16.83) ; v1(65.23,85.52) v1(62.21,85.52) ; v1(107.23,85.52) v1(104.21,85.52) ; v1(23.23,60.52) v1(20.21,60.52) ; v1(65.23,60.52) v1(62.21,60.52) ; v1(107.23,60.52) v1(104.21,60.52) ; v1(23.23,35.52) v1(20.21,35.52) ; v1(65.23,35.52) v1(62.21,35.52) ; v1(107.23,35.52) v1(104.21,35.52) ; v1(23.23,10.52) v1(20.21,10.52) ; v1(65.23,10.52) v1(62.21,10.52) ; v1(107.23,10.52) v1(104.21,10.52) ; v1(50.95,97.47) v1(50.95,94.97) ; v1(92.95,97.47) v1(92.95,94.97) ; v1(8.95,72.47) v1(8.95,69.97) ; v1(50.95,72.47) v1(50.95,69.97) ; v1(92.95,72.47) v1(92.95,69.97) ; v1(8.95,47.48) v1(8.95,44.98) ; v1(50.95,47.48) v1(50.95,44.98) ; v1(92.95,47.48) v1(92.95,44.98) ; v1(8.95,22.48) v1(8.95,19.98) ; v1(50.95,22.48) v1(50.95,19.98) ; v1(92.95,22.48) v1(92.95,19.98) ; v1(54.95,89.82) v1(51.65,89.82) ; v1(96.95,89.82) v1(93.65,89.82) ; v1(12.95,64.83) v1(9.65,64.83) ; v1(54.95,64.83) v1(51.65,64.83) ; v1(96.95,64.83) v1(93.65,64.83) ; v1(12.95,39.83) v1(9.65,39.83) ; v1(54.95,39.83) v1(51.65,39.83) ; v1(96.95,39.83) v1(93.65,39.83) ; v1(12.95,14.83) v1(9.65,14.83) ; v1(54.95,14.83) v1(51.65,14.83) ; v1(96.95,14.83) v1(93.65,14.83) ; v1(60.65,87.07) v1(56.9,87.07) ; v1(102.65,87.07) v1(98.9,87.07) ; v1(18.65,62.08) v1(14.9,62.08) ; v1(60.65,62.08) v1(56.9,62.08) ; v1(102.65,62.08) v1(98.9,62.08) ; v1(18.65,37.08) v1(14.9,37.08) ; v1(60.65,37.08) v1(56.9,37.08) ; v1(102.65,37.08) v1(98.9,37.08) ; v1(18.65,12.08) v1(14.9,12.08) ; v1(60.65,12.08) v1(56.9,12.08) ; v1(102.65,12.08) v1(98.9,12.08) ; v1(65.25,104.68) 64.45,104.68 v1(63.75,103.97) ; v1(107.25,104.68) 106.45,104.68 v1(105.75,103.97) ; v1(23.25,79.68) 22.45,79.68 v1(21.75,78.97) ; v1(65.25,79.68) 64.45,79.68 v1(63.75,78.97) ; v1(107.25,79.68) 106.45,79.68 v1(105.75,78.97) ; v1(23.25,54.68) 22.45,54.68 v1(21.75,53.98) ; v1(65.25,54.68) 64.45,54.68 v1(63.75,53.98) ; v1(107.25,54.68) 106.45,54.68 v1(105.75,53.98) ; v1(23.25,29.68) 22.45,29.68 v1(21.75,28.98) ; v1(65.25,29.68) 64.45,29.68 v1(63.75,28.98) ; v1(107.25,29.68) 106.45,29.68 v1(105.75,28.98) ; v1(9.4,99.47) 9.45,99.43 v1(10.8,99.43) ; v1(12.95,89.82) v1(9.65,89.82) ; v1(8.95,97.47) v1(8.95,94.97) ; v1(23.25,104.68) 22.45,104.68 v1(21.75,103.97) ; v1(23.23,85.52) v1(20.21,85.52) ; v1(8.95,93.18) v1(8.95,91.82) ; v1(18.65,87.07) v1(14.9,87.07)